# Altium PCB 0.PCB1.PcbDoc (part 10 of 12)
Units mm, origin at the board's own origin, x right, y up, seen from the top; angles counter-clockwise.
Board outline 77 x 72 mm, 6 copper layers (Top Layer, Layer 1, Layer 3, Layer 4, Layer 2, Bottom Layer), stack 1.538 mm thick; 570 components, 490 nets, 3331 pads, 1909 vias.
Unrouted connection lines stored in the file: 2.
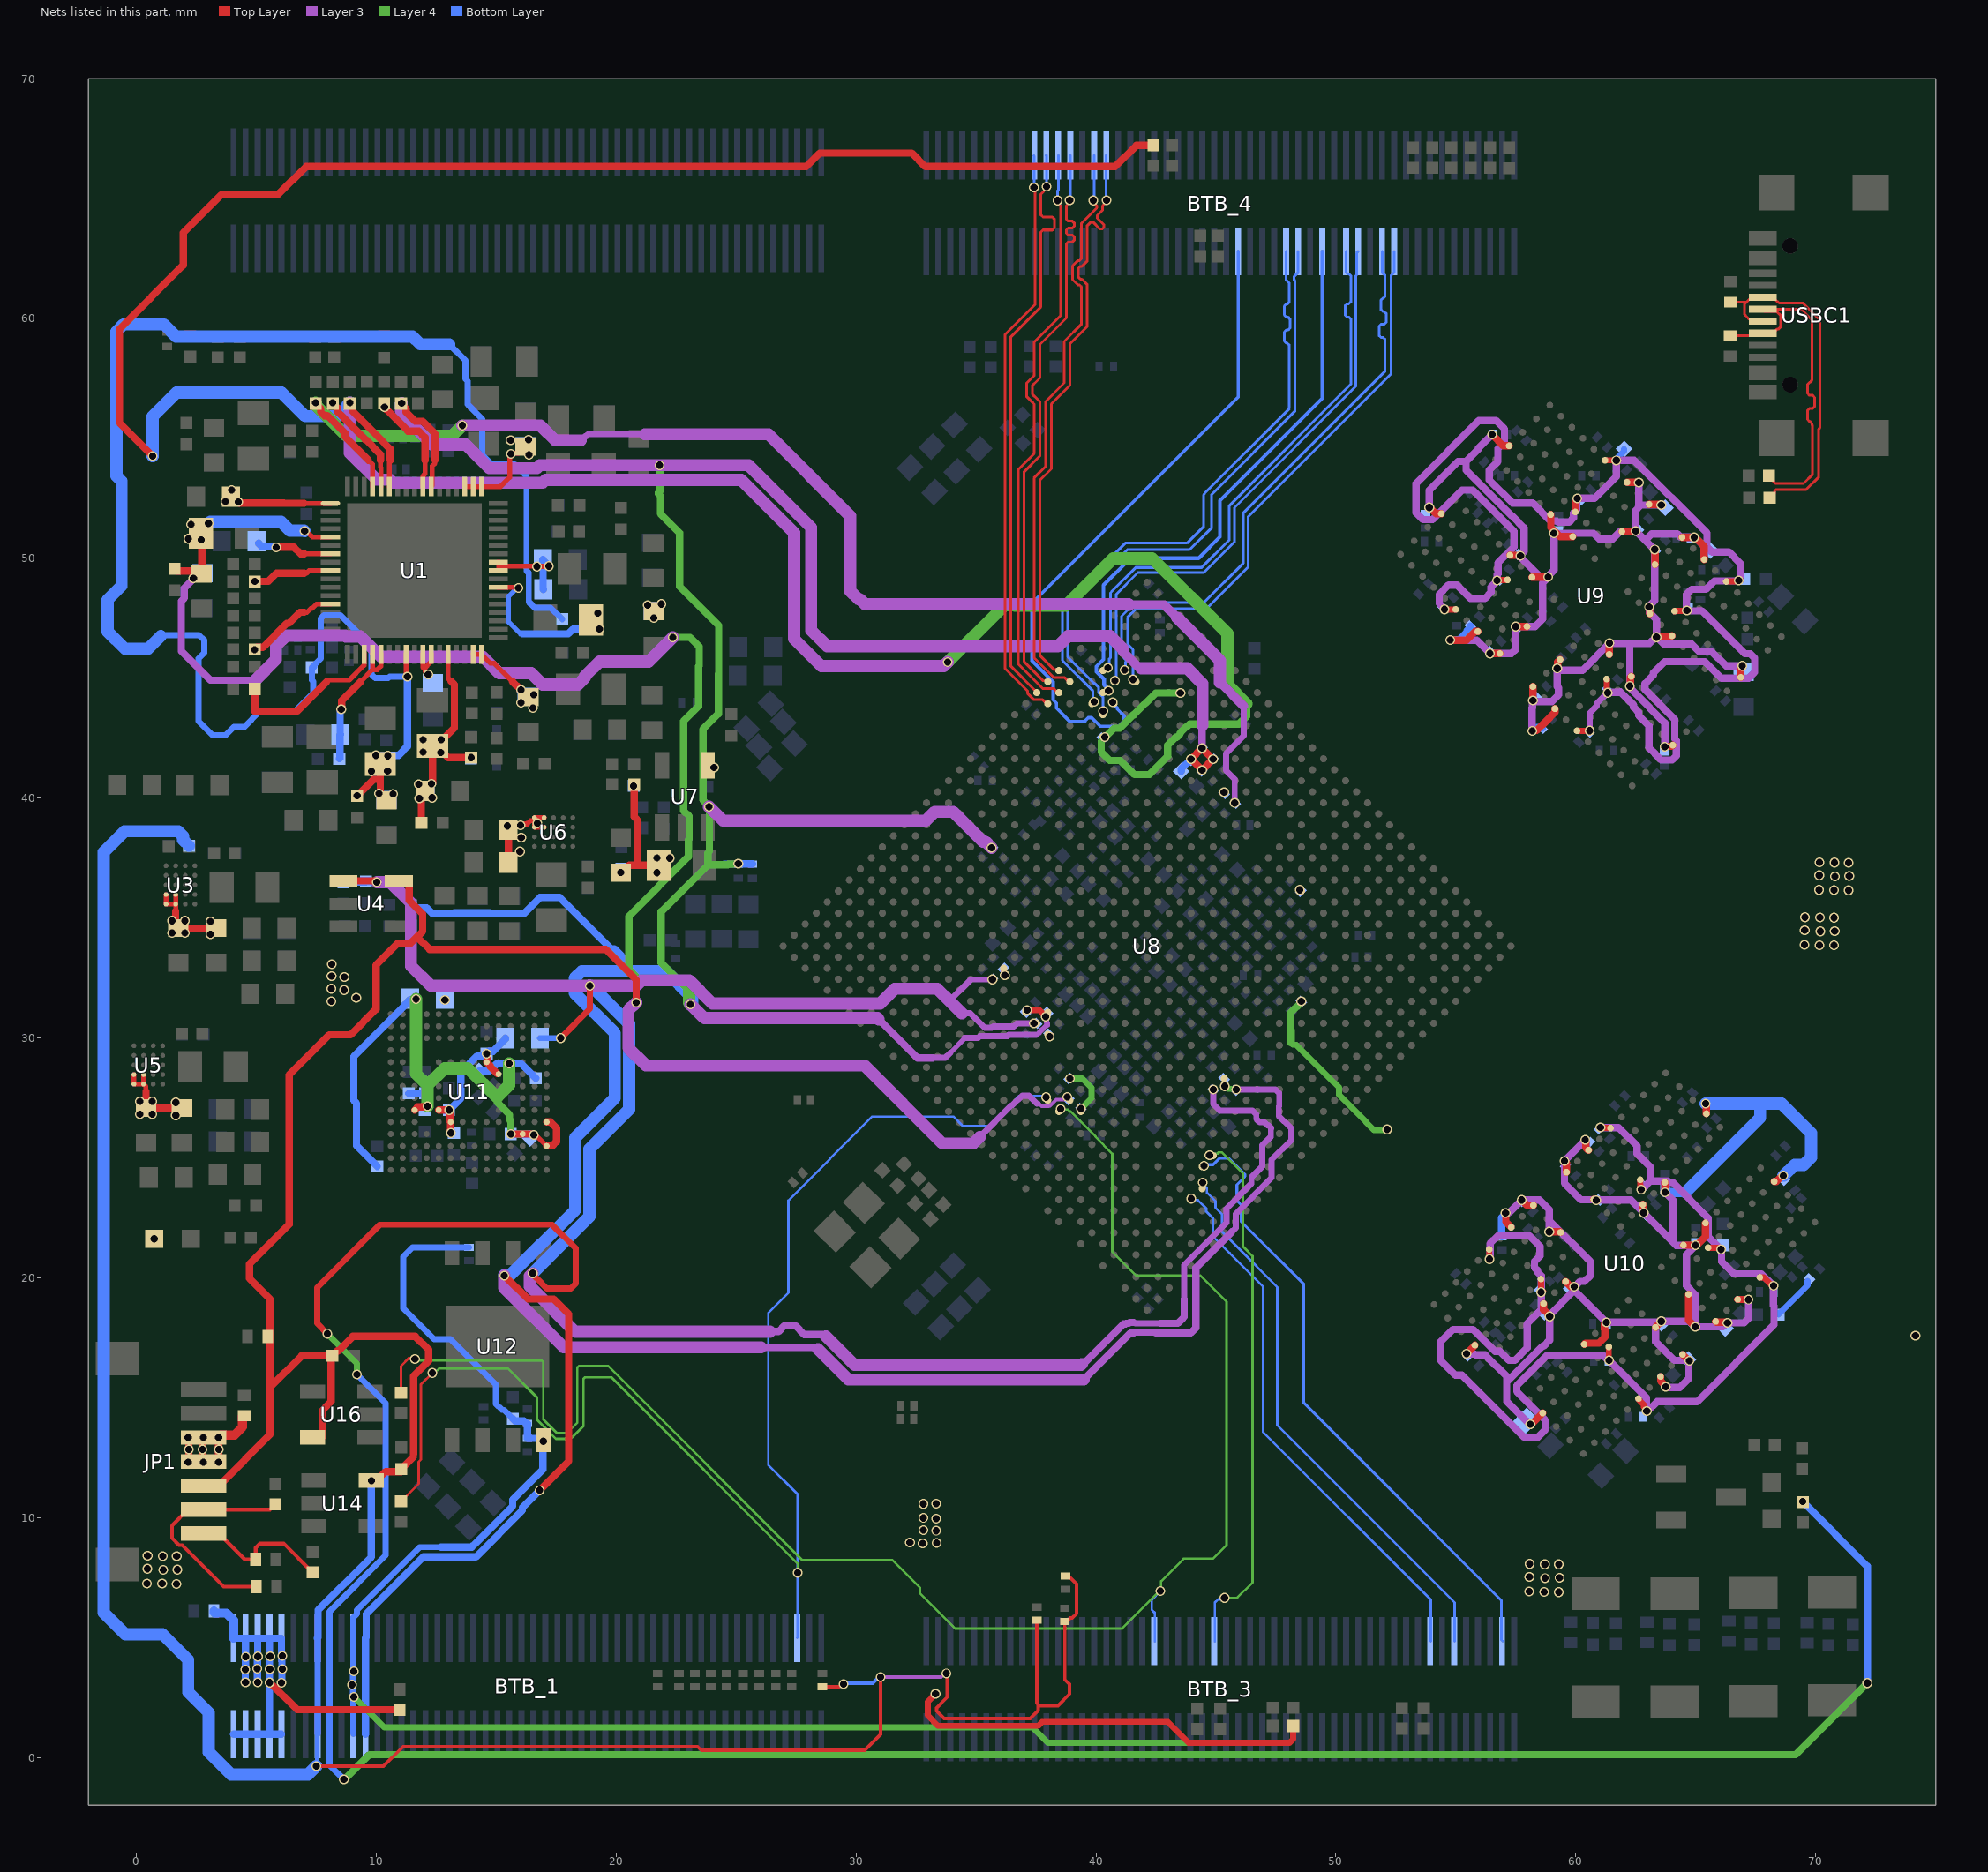
[diagram p14: the nets of this part, all layers, seen from the top]

## Via types
v1: diameter 0.41, hole 0.3, Top Layer to Bottom Layer, tented both sides, 1901 vias
v2: diameter 0.41, hole 0.3, Top Layer to Bottom Layer, 8 vias

## Nets (pads, with @x,y where several pads share a name; then routed paths per layer and width w, separated by ;. In a path a pad name is that pad's centre, name@x,y a point inside that pad or via, vN(x,y) a via of type N, cw(c..) or ccw(c..) an arc to the next point about the centre after c; other vN are vias at no path point) (continued)
TYPEC1_SSRX2N: BTB_4.13 U8.AP10 | length 24.5
  Top Layer w0.112: U8.AP10@37.994,44.856 37.961,44.889 37.801,44.889 37.142,45.548 37.01,45.68 37.01,53.607 37.665,54.262 37.665,55.987 37.665,56.528 37.444,56.75 37.439,56.75 37.357,56.832 37.357,57.212 37.439,57.294 37.444,57.294 37.665,57.516 37.665,58.524 37.665,58.915 38.769,60.019 38.769,62.187 38.769,63.113 38.842,63.186 39.02,63.186 39.093,63.258 39.093,63.403 39.02,63.476 38.842,63.476 38.769,63.548 38.769,63.694 38.842,63.766 39.02,63.766 39.093,63.839 39.093,63.984 39.02,64.056 38.842,64.056 38.769,64.129 38.769,64.706 38.905,64.842 38.905,64.854 v1(38.905,64.92)
  Bottom Layer w0.112: v1(38.905,64.92) 38.931,64.946 BTB_4.13@38.931,66.793
TYPEC1_SSRX2P: BTB_4.12 U8.AN10 | length 24.4
  Top Layer w0.112: v1(38.394,64.916) 38.394,64.838 38.53,64.702 38.53,63.376 38.53,60.118 37.426,59.014 37.426,58.524 37.426,57.615 37.345,57.533 37.34,57.533 37.118,57.312 37.118,56.732 37.34,56.511 37.345,56.511 37.426,56.429 37.426,55.987 37.426,54.361 36.77,53.706 36.77,45.581 37.496,44.855 37.793,44.559 38.241,44.559 38.403,44.397 U8.AN10@38.454,44.397
  Bottom Layer w0.112: v1(38.394,64.916) 38.394,65.312 38.431,65.349 BTB_4.12@38.431,66.793
TYPEC1_SSTX1N: BTB_4.15 U8.AN9 | length 24.3
  Top Layer w0.112: U8.AN9@38.913,44.856 38.862,44.856 38.7,45.018 38.253,45.018 37.421,45.85 37.421,53.345 37.903,53.827 37.903,56.534 38.678,57.31 38.678,59.044 39.398,59.763 39.398,61.184 39.398,61.31 39.316,61.392 39.25,61.392 39.029,61.613 39.029,62.193 39.25,62.414 39.316,62.414 39.398,62.496 39.398,63.62 39.398,63.969 40.038,64.609 40.038,64.702 39.895,64.844 v1(39.895,64.916)
  Bottom Layer w0.112: v1@39.931,64.952 BTB_4.15@39.931,66.793
TYPEC1_SSTX1P: BTB_4.16 U8.AP9 | length 24.3
  Top Layer w0.112: U8.AP9@38.454,45.316 38.421,45.349 38.261,45.349 37.66,45.949 37.66,53.246 38.142,53.728 38.142,56.435 38.917,57.21 38.917,58.945 39.637,59.664 39.637,61.184 39.637,61.409 39.415,61.631 39.349,61.631 39.268,61.713 39.268,62.093 39.349,62.175 39.415,62.175 39.637,62.397 39.637,63.62 39.637,63.87 ; 39.641,63.869 39.785,64.013 39.878,64.013 40.166,63.725 40.259,63.725 40.339,63.804 40.339,63.897 40.048,64.188 40.048,64.281 40.277,64.51 40.277,64.691 40.447,64.861 v1(40.447,64.92)
  Bottom Layer w0.112: v1@40.431,64.936 BTB_4.16@40.431,66.793
TYPEC1_SSTX2N: BTB_4.10 U8.AN11 | length 24.4
  Top Layer w0.112: v1(37.415,65.454) 37.469,65.4 37.469,60.587 36.219,59.336 36.219,50.58 36.219,48.646 36.219,45.39 37.154,44.455 37.154,44.356 37.411,44.099 37.781,44.099 37.943,43.937 U8.AN11@37.994,43.937
  Bottom Layer w0.112: BTB_4.10@37.406,66.79 37.423,66.773 37.423,65.461 v1(37.415,65.454)
TYPEC1_SSTX2P: BTB_4.11 U8.AP11 | length 24.4
  Top Layer w0.112: U8.AP11@37.534,44.397 37.534,44.413 36.458,45.489 36.458,59.237 37.708,60.488 37.708,63.003 37.708,63.603 37.79,63.684 38.183,63.684 38.264,63.766 38.264,64.147 38.183,64.228 37.79,64.228 37.708,64.31 37.708,64.631 37.708,65.186 37.942,65.42 v1(37.942,65.491)
  Bottom Layer w0.112: v1@37.931,65.502 37.936,65.508 37.936,66.788 BTB_4.11@37.931,66.793
TYPEC1_USB20_OTG_DM: BTB_4.70 U8.AL9 | length 25.3
  Bottom Layer w0.112: v1(39.932,44.019) 39.875,44.076 39.875,44.463 38.6,45.738 38.6,46.543 38.594,46.548 38.594,47.996 41.227,50.628 43.796,50.628 44.492,51.325 44.492,52.644 44.522,52.674 44.522,52.7 48.061,56.239 48.061,58.832 48.061,58.888 47.98,58.969 47.938,58.969 47.856,59.051 47.856,59.431 47.938,59.513 48.006,59.513 48.087,59.594 48.087,59.975 48.006,60.056 47.938,60.056 47.856,60.138 47.856,60.518 47.938,60.6 47.98,60.6 48.061,60.681 48.061,61.143 48.061,61.465 47.931,61.596 BTB_4.70@47.931,62.793
TYPEC1_USB20_OTG_DP: BTB_4.69 U8.AK9 | length 25.3
  Bottom Layer w0.112: v1(40.302,43.633) 40.302,44.195 40.17,44.327 40.17,44.336 40.116,44.39 40.116,44.615 39.95,44.781 39.923,44.781 38.823,45.88 38.823,46.777 38.823,47.872 41.311,50.359 43.907,50.359 44.823,51.274 44.823,52.662 48.301,56.14 48.301,58.832 48.301,61.565 48.262,61.603 48.262,61.749 48.431,61.918 BTB_4.69@48.431,62.793
TYPEC1_USB20_OTG_ID: BTB_4.74 U8.AK8 | length 27.4
  Bottom Layer w0.142: v1(40.693,43.997) 40.693,43.951 40.894,43.75 40.894,43.709 41.175,43.427 41.175,43.226 40.942,42.992 40.18,42.992 39.814,43.358 39.69,43.358 39.602,43.27 39.595,43.27 39.519,43.193 38.921,43.193 38.354,43.759 38.354,43.966 38.221,44.099 38.221,44.84 37.554,45.507 37.335,45.726 37.335,48.126 45.931,56.722 BTB_4.74@45.931,62.793
TYPEC1_USB20_VBUSDET: BTB_4.67 U8.AL8 | length 24.1
  Bottom Layer w0.156: v1(40.522,44.473) 40.522,44.541 40.341,44.722 40.341,44.95 40.022,45.269 40.022,45.489 40.312,45.779 40.312,48.265 40.312,48.879 41.43,49.998 44.274,49.998 45.172,50.896 45.172,52.407 49.431,56.666 BTB_4.67@49.431,62.793
typec_dn: R131.1 U13.2 USBC1.A7 USBC1.B7 | length 14.4
  Top Layer w0.112: U13.2@66.441,59.275 67.265,59.275 67.384,59.393 67.783,59.393 USBC1.B7@67.796,59.38 68.221,59.38 68.391,59.551 68.446,59.551 68.551,59.656 68.551,60.112 68.377,60.286 67.89,60.286 USBC1.A7@67.796,60.38 ; R131.1@68.059,53.439 68.254,53.245 68.254,53.182 68.319,53.116 69.5,53.116 69.874,53.491 69.874,55.535 69.844,55.565 69.844,55.621 69.763,55.703 69.747,55.703 69.666,55.784 69.666,56.165 69.747,56.246 69.88,56.246 69.961,56.328 69.961,56.708 69.88,56.79 69.747,56.79 69.666,56.871 69.666,57.252 69.747,57.333 69.763,57.333 69.844,57.415 69.844,58.122 69.844,59.942 69.406,60.38 USBC1.A7@68.347,60.38
typec_dp: R129.1 U15.2 USBC1.A6 USBC1.B6 | length 14.6
  Top Layer w0.112: U15.2@66.466,60.678 67.115,60.678 ; USBC1.A6@67.796,59.88 67.702,59.975 67.223,59.975 67.147,60.051 67.041,60.156 67.041,60.605 67.115,60.678 ; R129.1@68.085,52.525 68.279,52.719 68.279,52.793 68.344,52.858 69.607,52.858 70.132,53.384 70.132,55.386 70.174,55.429 70.174,59.942 69.476,60.64 68.484,60.64 68.436,60.688 68.414,60.688 68.221,60.88 USBC1.B6@67.796,60.88 67.724,60.809 67.245,60.809 67.115,60.678
UART2_RX: JP1.1 R122.1 U19.2 | length 6
  Top Layer w0.156: JP1.1@2.796,9.333 3.446,9.333 4.09,8.689 4.09,8.685 4.512,8.263 U19.2@4.972,8.263 4.972,8.738 5.15,8.917 6.141,8.917 R122.1@7.346,7.711
UART2_RX_M0_DEBUG: BTB_1.48 R123.2 U8.R29 | length 60.8
  Top Layer w0.102: R123.2@11.033,10.676 11.767,11.41 11.767,12.319 11.865,12.417 11.865,15.551 v1(12.342,16.028)
  Layer 4 w0.102: v1(12.342,16.028) 12.425,16.028 12.625,16.228 15.479,16.228 16.707,15 16.707,14.065 17.491,13.282 18.104,13.282 18.638,13.815 18.638,15.788 18.697,15.847 19.802,15.847 27.573,8.076 v1(27.573,7.7)
  Bottom Layer w0.102: BTB_1.48@27.544,4.988 27.56,5.004 v1@27.56,7.7 ; v1(27.573,7.7) 27.56,7.713 27.56,10.974 26.342,12.192 26.342,18.53 27.177,19.366 27.177,23.218 30.677,26.719 32.989,26.719 34.056,26.719 34.443,26.331 35.541,26.331 36.376,27.166 36.39,27.166 36.805,27.581 37.864,27.581 v1(37.921,27.525)
UART2_TX: JP1.2 R126.1 U18.2 | length 9.6
  Top Layer w0.156: U18.2@4.991,7.12 3.639,7.12 1.906,8.853 1.772,8.853 1.483,9.142 1.483,9.669 2.146,10.333 JP1.2@2.796,10.333 5.574,10.333 R126.1@5.797,10.556
UART2_TX_M0_DEBUG: BTB_3.20 R127.2 U8.P29 | length 72.3
  Top Layer w0.102: R127.2@11.033,15.204 11.033,16.319 11.373,16.66 11.377,16.657 11.564,16.657 v1(11.614,16.607)
  Layer 4 w0.102: v1(11.614,16.607) 11.673,16.548 16.902,16.548 16.961,16.489 16.961,14.099 17.532,13.528 17.944,13.528 18.384,13.968 18.384,16.256 18.443,16.316 19.671,16.316 27.759,8.227 31.516,8.227 32.659,7.084 32.659,6.84 34.128,5.37 41.091,5.37 42.653,6.932 v1(42.687,6.932) ; v1(38.53,27.033) 38.556,27.008 38.837,27.008 38.917,26.927 38.952,26.927 39.978,25.901 39.978,25.876 40.685,25.169 40.685,21.08 41.681,20.084 44.36,20.084 44.501,19.943 45.445,19 45.445,8.852 44.876,8.283 43.662,8.283 42.717,7.338 v1@42.717,6.932
  Bottom Layer w0.102: BTB_3.20@42.455,4.843 42.455,6.026 42.329,6.151 42.329,6.575 v1(42.687,6.932)
UART4_RX_M2: BTB_3.45 U8.D26 | length 23.5
  Bottom Layer w0.102: v1(44.446,23.964) 44.446,23.911 44.629,23.728 44.629,23.544 44.984,23.189 44.984,22.923 45.26,22.647 45.26,21.916 45.867,21.309 47.563,19.613 47.563,13.848 54.955,6.457 BTB_3.45@54.955,4.843
UART4_TX_M2: BTB_3.43 U8.D27 | length 22.7
  Bottom Layer w0.102: v1(43.977,23.295) 44.036,23.236 44.252,23.236 44.597,22.891 44.597,22.763 44.874,22.487 44.874,21.727 45.58,21.021 46.969,19.632 46.969,13.561 53.955,6.575 BTB_3.43@53.955,4.843
UART7_RX_M2: BTB_3.25 U8.E24 | length 22.6
  Layer 4 w0.102: v1(44.737,25.112) 44.796,25.171 45.066,25.171 45.124,25.229 45.248,25.229 46.121,24.356 46.121,21.562 46.121,21.308 46.527,20.902 46.527,7.288 45.892,6.653 v1(45.359,6.653)
  Bottom Layer w0.102: BTB_3.25@44.955,4.843 44.955,6.451 45.09,6.586 45.292,6.586 v1(45.359,6.653)
UART7_TX_M2: BTB_3.49 U8.E25 | length 26.3
  Bottom Layer w0.114: v1(44.506,24.667) 44.549,24.71 44.882,24.71 45.146,24.974 45.554,24.974 46.216,24.312 46.216,24.217 45.874,23.876 45.874,23.216 46.044,23.046 46.044,22.35 46.476,21.918 48.669,19.725 48.669,14.78 56.903,6.546 56.903,4.895 BTB_3.49@56.955,4.843
USB20_HOST0_DM: BTB_4.62 U8.AL6 | length 24.4
  Bottom Layer w0.112: v1(41.195,45.344) 41.229,45.378 41.229,45.662 41.246,45.68 41.246,45.772 41.063,45.955 41.063,47.582 41.624,48.142 42.616,48.142 42.623,48.15 44.502,48.15 46.136,49.784 46.136,51.88 52.054,57.798 52.054,59.069 52.054,59.124 51.973,59.206 51.882,59.206 51.8,59.287 51.8,59.668 51.882,59.75 52.012,59.75 52.094,59.831 52.094,60.212 52.012,60.293 51.956,60.293 51.874,60.375 51.874,60.755 51.956,60.837 51.973,60.837 52.054,60.918 52.054,61.471 52.054,61.795 51.931,61.918 BTB_4.62@51.931,62.793
USB20_HOST0_DP: BTB_4.61 U8.AK6 | length 24.3
  Bottom Layer w0.112: v1(41.539,44.944) 41.547,44.953 41.547,46.19 41.317,46.421 41.317,47.533 41.681,47.897 44.607,47.897 46.349,49.64 46.349,51.735 52.307,57.693 52.307,61.795 52.431,61.918 BTB_4.61@52.431,62.793
USB20_HOST1_DM: BTB_4.65 U8.AM7 | length 23.6
  Bottom Layer w0.112: v1(40.49,45.428) 40.547,45.485 40.547,45.789 40.606,45.848 40.606,48.56 40.692,48.646 41.66,49.614 42.605,49.614 44.406,49.614 45.559,50.767 45.559,52.195 50.622,57.258 50.622,59.921 50.622,59.977 50.541,60.059 50.467,60.059 50.386,60.14 50.386,60.521 50.467,60.602 50.541,60.602 50.622,60.684 50.622,61.07 50.622,61.784 50.557,61.849 50.5,61.849 50.431,61.918 BTB_4.65@50.431,62.793
USB20_HOST1_DP: BTB_4.64 U8.AL7 | length 23.7
  Bottom Layer w0.112: v1(40.794,44.895) 40.843,44.943 40.843,48.495 41.749,49.401 42.819,49.401 44.494,49.401 45.773,50.679 45.773,52.106 50.836,57.17 50.836,61.784 50.862,61.809 50.862,62.724 BTB_4.64@50.931,62.793
VCC1V8_PMU_DDR_S3: BTB_1.11 BTB_1.90 C65.2 C66.2 C67.2 C179.2 C183.2 C215.2 C297.2 C298.2 C299.2 C300.2 C301.2 C302.2 C303.2 C304.2 C305.2 C341.2 C342.2 C343.2 C344.2 C345.2 C346.2 C347.2 C348.2 C349.2 C396.2 C397.2 L9.2 R14.1 R16.1 R103.1 R109.1 R110.1 R147.2 U1.25 U8.N28 U8.R27 U8.V26 U9.F1 U9.F12 U9.G4 U9.G9 U9.T4 U9.T9 U9.U1 U9.U12 U10.F1 U10.F12 U10.G4 U10.G9 U10.T4 U10.T9 U10.U1 U10.U12 U12.8 | length 279.7
  Top Layer w0.203: U1.25@11.24,45.988 11.24,45.189 11.297,45.132 v1(11.297,45.066)
  Top Layer w0.254: v1(33.314,2.644) 32.986,2.317 32.986,1.743 33.413,1.316 37.589,1.316 37.754,1.481 42.994,1.481 43.868,0.607 48.069,0.607 48.224,0.762 R147.2@48.224,1.308 ; v1(54.527,47.866) 54.529,47.864 54.997,47.864 U9.F1@54.999,47.862 ; U10.U1@56.397,21.181 56.397,20.785 56.404,20.778 v1@56.411,20.778 ; v1(56.712,49.071) 56.736,49.095 57.151,49.095 U9.G4@57.156,49.1 ; U10.T4@58.549,19.949 U10.T4@58.553,19.944 58.558,19.94 58.558,19.489 58.617,19.429 v1@58.643,19.429 ; U9.G9@59.984,51.928 59.989,51.933 59.989,52.372 60.062,52.445 v1(60.062,52.498) ; U9.U1@60.055,42.806 v1@60.576,42.807 ; v1(61.03,26.261) 61.05,26.242 61.448,26.242 U10.F1@61.453,26.237 ; U9.F12@61.222,54.085 61.223,54.083 61.689,54.083 v1(61.691,54.081) ; U9.T4@61.292,44.963 61.297,44.958 61.297,44.466 61.33,44.433 v1(61.33,44.391) ; U10.T9@61.382,17.115 61.382,16.563 v1(61.386,16.559) ; U10.U12@62.619,14.959 62.624,14.954 62.624,14.926 62.847,14.703 62.847,14.604 ; U10.G4@62.69,24.08 62.695,24.075 62.695,23.708 v1(62.732,23.671) ; U9.T9@64.121,47.791 64.126,47.796 64.608,47.796 v1(64.637,47.826) ; U10.G9@65.518,21.252 65.523,21.248 65.94,21.248 66.007,21.181 v1(66.06,21.181) ; U9.U12@66.277,49.029 66.282,49.034 66.759,49.034 v1(66.796,49.071) ; U10.F12@67.675,20.015 67.68,20.01 67.839,20.01 68.191,19.657 v1(68.244,19.657)
  Top Layer w0.305: v1(9.203,40.091) 9.887,40.775 10.168,40.775 ; L9.2@10.168,41.427 10.168,40.775 ; C65.2@10.422,39.901 10.391,39.901 10.168,40.124 10.168,40.775 ; v1(16.961,13.18) U12.8@16.961,13.229
  Layer 3 w0.254: v1(60.577,42.808) 60.577,43.542 60.874,43.839 60.874,43.934 v1(61.33,44.391)
  Layer 3 w0.305: v1(54.527,47.866) 54.527,47.894 54.308,48.113 54.308,48.491 54.7,48.883 55.049,48.883 55.608,48.324 56.217,48.324 56.465,48.572 56.465,48.795 56.707,49.037 v1@56.707,49.071 ; v1(56.411,20.778) 56.432,20.798 56.432,21.424 56.768,21.761 58.059,21.761 58.508,21.311 58.508,20.902 58.285,20.679 58.285,20.426 58.397,20.315 58.397,20.25 58.562,20.085 v1(58.562,19.398) 58.562,18.662 57.977,18.078 57.977,17.069 57.465,16.557 57.212,16.557 56.834,16.935 56.634,16.935 55.724,17.844 54.881,17.844 54.373,17.336 54.373,16.551 54.988,15.936 55.26,15.936 57.858,13.338 58.419,13.338 58.724,13.643 58.724,14.074 57.544,15.255 57.544,15.508 58.78,16.744 61.172,16.744 61.358,16.559 v1(61.386,16.559) 62.944,15 62.944,14.454 v1(62.964,14.434) 62.993,14.434 63.393,14.834 65.064,14.834 68.269,18.039 68.269,18.821 68.244,18.847 v1(68.244,19.657) 67.741,20.16 66.597,20.16 66.08,20.678 66.08,21.161 65.531,21.71 65.531,22.484 64.038,23.978 63.883,23.978 63.827,24.034 63.124,24.034 ; v1(56.712,49.071) 56.733,49.091 56.733,49.315 56.763,49.346 56.763,49.8 57.431,50.468 57.431,51.11 55.7,52.842 55.264,52.842 54.033,51.611 53.626,51.611 53.344,51.893 53.344,53.122 55.963,55.741 56.679,55.741 57.028,55.392 57.028,54.85 56.753,54.575 56.753,54.029 56.396,53.671 56.396,53.267 57.361,52.301 58.209,52.301 58.953,51.557 59.204,51.557 59.257,51.504 59.727,51.504 59.905,51.682 59.905,51.882 60.042,52.019 60.042,52.461 v1@60.079,52.498 ; v1(60.062,52.498) v1@60.079,52.498 ; v1(61.03,26.261) 61.785,26.261 62.559,25.487 62.559,25.167 63.124,24.602 63.124,24.034 ; v1(61.33,44.391) 61.35,44.411 61.856,44.411 61.868,44.423 62.415,43.876 62.415,43.787 62.62,43.582 62.62,43.447 63.05,43.018 63.05,42.108 63.334,41.824 63.334,41.809 63.558,41.585 64.017,41.585 64.195,41.764 64.195,42.395 64.127,42.464 64.127,43.285 62.892,44.52 62.892,44.772 63.179,45.06 63.243,45.123 63.243,45.22 63.708,45.685 65.381,45.685 66.067,44.999 67.215,44.999 67.459,45.243 67.459,45.844 67.281,46.023 67.048,46.023 65.264,47.806 64.657,47.806 v1(64.637,47.826) ; v1@61.686,54.052 61.691,54.046 61.691,53.403 60.786,52.498 v1@60.079,52.498 ; v1(61.691,54.081) 61.693,54.083 62.442,54.083 65.473,51.052 65.473,50.47 65.681,50.262 66.387,50.262 66.875,49.774 v1@66.875,49.088 ; v1(62.732,23.671) 62.761,23.671 63.124,24.034 ; v1@64.614,47.907 64.614,48.481 64.835,48.702 65.435,48.702 65.786,49.054 66.779,49.054 v1(66.796,49.071)
  Layer 4 w0.254: v1(9.058,2.521) 10.33,1.25 37.355,1.25 37.995,0.61 45.745,0.61 ; v1(38.913,28.31) 39.429,28.31 39.811,27.928 39.811,27.484 v1(39.374,27.046)
  Bottom Layer w0.254: 1.017,46.749 1.066,46.798 2.615,46.798 2.829,46.584 2.829,46.061 2.593,45.824 2.593,43.198 3.172,42.619 3.713,42.619 4.063,42.97 4.498,42.97 5.156,43.627 6.614,43.627 7.374,44.387 7.374,44.859 7.311,44.921 R14.1@7.311,45.45 ; R14.1@7.406,45.466 7.406,45.545 7.682,45.821 7.682,46.264 7.682,47.489 7.817,47.624 8.506,47.624 9.806,46.323 9.806,45.15 9.955,45.001 10.498,45.001 10.563,45.066 v1(11.297,45.066) ; BTB_1.90@9.051,0.97 9.051,2.521 9.029,2.544 9.029,2.951 8.993,2.986 v1(8.993,3.028) 9.023,3.058 9.023,3.508 9.051,3.536 BTB_1.11@9.051,4.97 9.051,5.841 9.197,5.987 9.197,6.139 11.826,8.767 12.693,8.767 ; v1(12.863,31.581) R103.1@12.863,31.641 ; 13.042,58.921 13.711,58.252 13.711,57.471 13.802,57.38 13.802,56.419 14.414,55.808 14.414,54.316 14.814,53.915 15.782,53.915 16.264,53.433 16.264,49.472 16.357,49.38 16.357,48.18 16.598,47.939 17.274,47.939 R16.1@17.756,47.457 ; R110.1@13.868,21.258 11.514,21.258 11.127,20.872 11.127,18.718 12.405,17.44 13.09,17.44 14.989,15.542 14.989,14.741 15.243,14.487 15.325,14.487 C397.2@15.691,14.12 ; C305.2@61.767,54.201 62.021,54.455 C297.2@62.021,54.557 ; C344.2@68.265,19.403 68.265,18.657 68.407,18.514 C341.2@68.422,18.514 ; C341.2@68.458,18.464 69.671,19.677 C343.2@69.671,19.871
  Bottom Layer w0.305: v1(9.982,41.78) 9.991,41.771 10.473,41.771 v1(10.482,41.763) 10.502,41.783 10.932,41.783 11.297,42.148 v1(11.297,45.066) ; 12.693,8.767 13.98,8.767 14.17,8.957 15.685,10.472 15.685,10.744 16.941,12.001 16.941,13.16 v1(16.961,13.18) 16.922,13.18 16.806,13.296 16.303,13.296 R109.1@16.301,13.299 C396.2@16.301,13.922 16.256,13.922 16.155,14.023 15.789,14.023 C397.2@15.691,14.12
  Bottom Layer w0.508: 1.017,46.749 0.486,46.218 -0.471,46.218 -1.195,46.942 -1.195,48.273 -0.618,48.85 -0.618,53.221 -0.829,53.432 -0.829,59.454 -0.531,59.751 1.147,59.751 1.655,59.243 11.513,59.243 11.836,58.921 13.042,58.921
  other v1: 9.067,3.594 1.074,7.244 1.676,7.234 0.444,7.255 1.114,7.818 1.709,7.829 0.456,7.864 1.678,8.39 0.467,8.408 1.097,8.393 74.165,17.587 38.063,30.055 8.132,31.529 9.166,31.674 8.656,31.994 8.13,32.053 8.668,32.543 8.135,32.568 8.143,33.074 71.373,36.15 70.141,36.17 70.771,36.16 70.812,36.734 71.406,36.744 70.154,36.78 70.164,37.323 70.794,37.308 71.376,37.305 10.701,40.167 10.117,40.192 9.799,41.12 10.473,41.132
VCC3V3_FLASH: C385.1 C386.1 C387.1 R104.2 U11.E6 U11.F5 U11.J10 U11.K9 | length 6.7
  Top Layer w0.305: U11.E6@12.602,26.991 v1(13.035,26.991) 13.063,26.963 13.063,26.53 U11.F5@13.102,26.491 13.102,26.051 v1(13.116,26.037) ; U11.J10@14.602,28.991 14.733,28.86 14.733,28.82 U11.K9@15.045,28.508 ; v1(14.602,29.343) 14.63,29.316 U11.J10@14.63,28.991
  Bottom Layer w0.305: v1(13.035,26.991) 13.529,27.485 13.529,28.571 14.204,29.246 14.504,29.246 v1(14.602,29.343) 14.7,29.441 14.877,29.441 15.377,29.941 R104.2@15.377,29.991
VCC4V0_SYS: BTB_1.1 BTB_1.2 BTB_1.3 BTB_1.4 BTB_1.5 BTB_1.96 BTB_1.97 BTB_1.98 BTB_1.99 BTB_1.100 C1.1 C3.1 C17.2 C19.1 C20.1 C37.1 C38.1 C49.1 C50.1 C60.2 C61.1 C62.1 C79.2 C81.2 C89.2 C90.2 C91.1 C101.2 C103.2 JP1.4 JP1.5 LED1.1 R128.2 U1.1 U1.7 U1.21 U1.22 U1.27 U1.28 U1.33 U1.34 U1.43 U1.44 U1.52 U1.53 U1.54 U1.64 U3.D1 U3.D2 U3.E1 U3.E2 U5.D1 U5.D2 U5.E1 U5.E2 U6.D1 U6.D2 U6.E1 U6.E2 U7.4 U23.2 U24.2 | length 67.7
  Top Layer w0.203: U5.D1@-0.101,28.471 U5.E1@-0.101,28.071 U5.E2@0.299,28.071 ; U5.D2@0.299,28.471 U5.E2@0.299,28.071 ; 0.401,27.76 0.401,27.97 U5.E2@0.299,28.071 ; U3.D1@1.237,35.976 U3.E1@1.237,35.576 U3.E2@1.637,35.576 ; 1.637,35.29 U3.E2@1.637,35.576 ; U3.D2@1.637,35.976 U3.E2@1.637,35.576 ; 6.993,50.189 U1.7@8.09,50.189 ; 6.993,52.289 U1.1@8.09,52.289 ; 9.355,44.866 9.84,45.351 ; U1.21@9.84,45.988 9.84,45.351 ; 10.175,54.086 10.175,53.787 10.19,53.771 U1.64@10.19,52.989 ; U1.22@10.19,45.988 10.189,45.987 10.189,45.496 10.044,45.351 9.84,45.351 ; U1.27@11.94,45.988 11.942,45.987 11.942,45.457 12.038,45.361 12.038,45.284 12.161,45.16 v1(12.161,45.151) ; 11.999,45.4 12.29,45.692 U1.28@12.29,45.988 ; U1.54@13.69,52.989 U1.53@14.04,52.989 U1.52@14.39,52.989 15.18,52.989 15.56,53.369 15.56,54.293 15.649,54.383 15.94,54.383 C3.1@16.213,54.656 ; U1.33@14.04,45.988 U1.34@14.39,45.988 14.759,45.62 14.921,45.62 15.675,44.866 ; U1.44@15.091,49.839 15.108,49.839 15.11,49.837 15.11,49.675 ; U1.43@15.11,49.546 15.11,49.675 ; 16.284,38.915 16.432,39.063 16.593,39.063 U6.E1@16.593,39.184 U6.D1@16.993,39.184 ; v1@16.593,38.946 U6.E2@16.593,38.784 U6.D2@16.993,38.784 ; v1@16.655,39.008 v1(16.718,38.946) ; v1(17.198,49.67) 17.189,49.661 16.707,49.661 v1(16.698,49.652) 16.675,49.675 15.11,49.675